# Altium PCB OneBox.PcbDoc (part 7 of 13)
Units mm, origin at the board's own origin, x right, y up, seen from the top; angles counter-clockwise.
Board outline 101 x 69 mm, 6 copper layers (L1_Sig, L2_Gnd, L3_Pow, L4_Sig, L5_Gnd, L6_Sig), stack 1.538 mm thick; 766 components, 563 nets, 3133 pads, 2914 vias.
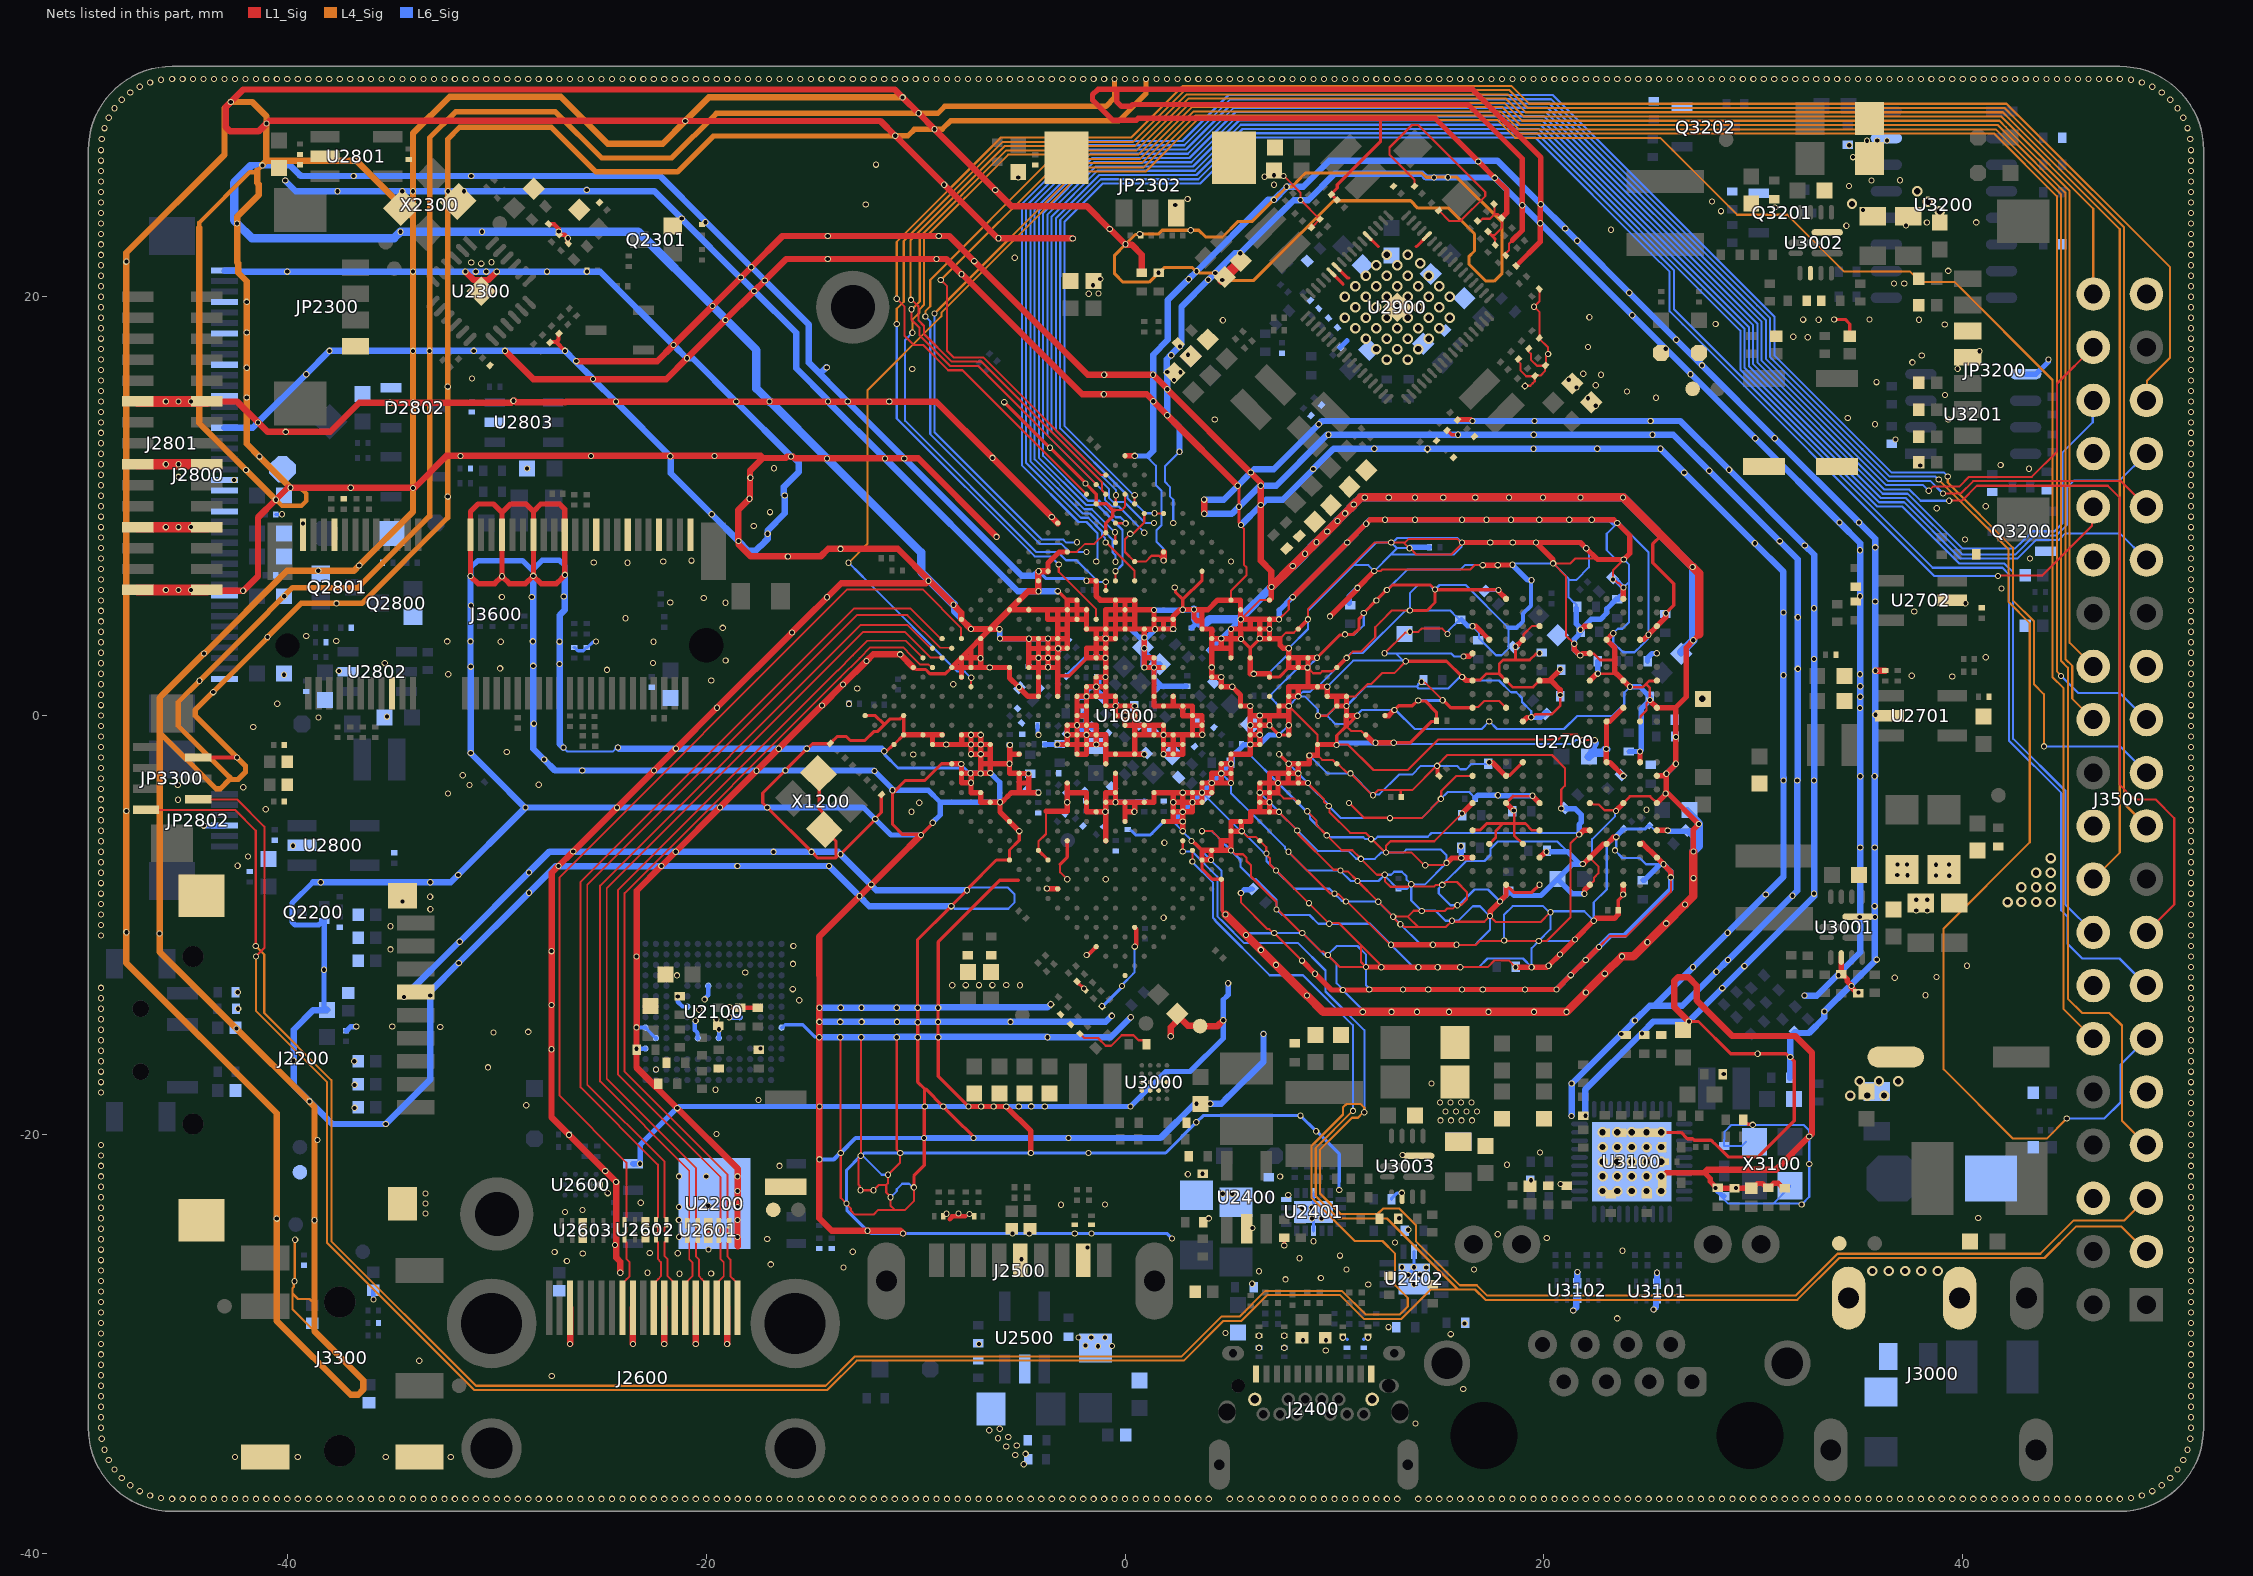
[diagram p11: the nets of this part, all layers, seen from the top]

## Via types
v1: diameter 0.3, hole 0.2, L1_Sig to L6_Sig, tented both sides, 2711 vias
v2: diameter 0.5, hole 0.3, L1_Sig to L6_Sig, tented both sides, 199 vias
v3: diameter 0.305, hole 0.203, L1_Sig to L6_Sig, tented both sides, 4 vias

## Nets (pads, with @x,y where several pads share a name; then routed paths per layer and width w, separated by ;. In a path a pad name is that pad's centre, name@x,y a point inside that pad or via, vN(x,y) a via of type N, cw(c..) or ccw(c..) an arc to the next point about the centre after c; other vN are vias at no path point) (continued)
GND: (continued)
  L6_Sig w0.203: ED3303.2@-35.9,-27.425 -35.895,-27.43 -35.895,-27.873 v1(-35.89,-27.878) ; v1(-23.33,-15.91) -23.325,-15.905 -22.905,-15.905 U2100.P4@-22.9,-15.9 ; v1(-23.326,-14.885) -23.319,-14.893 -22.905,-14.893 U2100.P6@-22.897,-14.9 ; U2100.N5@-22.4,-15.4 U2100.N5@-22.4,-15.397 ; v1(-21.361,-13.416) -21.361,-13.666 -21.132,-13.895 -20.905,-13.895 U2100.K8@-20.9,-13.9 ; v1(-20.504,-14.566) -20.504,-14.592 -20.541,-14.629 -20.541,-15.018 -20.419,-15.14 -20.419,-15.381 U2100.J5@-20.4,-15.4 ; v1(-20.074,-13.549) -20.074,-13.521 -19.9,-13.347 U2100.H10@-19.9,-12.9 ; U2100.G5@-19.4,-15.4 -19.393,-15.392 -19.393,-14.986 v1(-19.385,-14.978) ; v1(-14.594,-21.19) -13.907,-21.19 -13.604,-20.887 v1(-13.576,-20.887) -13.576,-20.882 -12.863,-20.168 v1(-9.6,-20.168) ; C1213.1@-4.175,-0.456 -4.175,-0.854 -4.137,-0.893 v1(-4.137,-0.919) ; C1600.1@1.432,4.118 1.45,4.135 1.657,4.135 1.683,4.162 2.22,4.162 2.239,4.143 2.292,4.143 v1(2.298,4.137) ; 18.3,4.2 18.7,4.2 19,4.5 19,4.674 18.998,4.675 18.998,4.844 19,4.845 19,4.869 19.378,5.246 v1@19.378,6.419
  L6_Sig w0.254: v1(-43.993,-5.254) -43.99,-5.252 -43.005,-5.252 JP2802.3@-43.003,-5.25 ; -38.773,-7.957 -39.773,-8.957 -39.773,-9.851 -39.624,-10 -38.507,-10 -38.359,-9.851 -38.359,-9.82 -38.339,-9.8 Q2200.2@-38.241,-9.8 -38.241,-12.128 v1(-38.249,-12.137) -38.249,-13.901 C2200.2@-38.1,-14.05 ; C2201.2@-37.2,-15.05 -37.179,-15.05 -36.986,-14.857 -36.719,-14.857 v1(-36.71,-14.848) ; v1(-31.25,6.661) -31.24,6.671 -31.24,7.06 -30.9,7.4 -28.77,7.4 -28.267,6.897 ; v1(-28.257,6.672) -28.248,6.682 -28.248,6.998 -27.825,7.421 -27.021,7.421 -26.755,7.155 -26.755,6.73 v1(-26.745,6.721) ; U2200.4@-23.5,-21.395 U2200.4@-23.436,-21.395 ; U2200.4@-23.457,-21.416 U2200.4@-23.436,-21.395 ; U2200.4@-23.435,-21.395 U2200.4@-23.25,-21.395 ; U2200.4@-23.25,-21.395 U2200.4@-23.436,-21.395 ; v1(-23.165,-21.395) U2200.4@-23.25,-21.395 ; v1@-21.376,-18.735 v1(-21.385,-18.743) ; v1(-18.895,-14.401) -18.894,-14.4 U2100.E7@-18.4,-14.4 ; v1(-14.585,-18.668) -21.298,-18.668 -21.373,-18.743 v1(-21.385,-18.743) ; v1@-14.573,-18.668 v1(-9.567,-18.668) v1(-8.683,-18.668) v1(-7.472,-18.668) -7.471,-18.667 v1(-6.873,-18.667) v1(-6.873,-18.667) v1(-6.873,-18.667) -3.833,-18.667 v1(-3.832,-18.668) v1@0.245,-18.668 ; -12.537,-4.387 -12.511,-4.413 -12.455,-4.413 v1(-11.93,-4.937) -11.168,-5.7 v1(-9.743,-5.7) ; -12.345,-2.619 -12.33,-2.635 ; v1@-11.958,-2.655 -11.112,-3.501 v1@-11.112,-3.559 ; v1@-11.135,-3.559 v1@-11.111,-3.559 ; v1(-11.103,-3.567) v1@-11.111,-3.559 ; v1(-9.185,-5.115) -9.185,-5.101 -8.824,-4.741 -8.824,-4.137 ; v1(-8.194,5.296) -8.186,5.287 -8.186,4.968 v1(-7.354,4.137) -6.232,4.137 ; v1(-7.381,-2.751) -7.376,-2.755 -6.9,-2.755 -6.898,-2.758 -6.893,-2.753 -6.446,-2.753 v1(-6.438,-2.746) -6.426,-2.746 -5.985,-3.187 -5.985,-4.127 v1(-5.975,-4.137) -8.824,-4.137 ; -6.212,4.137 -6.01,4.137 v1(-6.001,4.129) -6.001,4.116 -5.984,4.099 -5.984,3.686 v1(-5.975,3.677) ; v1@-5.975,3.689 v1(-5.975,3.677) ; v1@-4.603,3.658 -4.606,3.662 -4.612,3.662 -4.615,3.658 -5.924,3.658 -5.934,3.668 -5.966,3.668 v1(-5.975,3.677) ; v1(-4.59,3.671) -4.587,3.674 -3.68,3.674 v1(-3.677,3.677) ; C1912.1@-3.841,-1.379 v1(-3.232,-1.379) ; C1906.1@-3.25,-1.415 -3.065,-1.415 C1906.1@-3,-1.35 ; C1801.1@-2.266,0.879 -1.891,0.879 -1.851,0.919 v1(-1.838,0.919) -1.83,0.928 -1.83,1.17 -1.63,1.37 -1.388,1.37 v1(-1.379,1.379) ; C1802.1@-1.931,0.12 -1.858,0.047 -1.858,-0.46 ; v1(-1.838,-0.919) v1(-2.298,-0.46) -1.858,-0.46 ; C1006.1@-1.52,-0.548 -1.623,-0.548 -1.712,-0.46 -1.858,-0.46 ; C1013.1@-1.118,0.882 -1.118,0.984 -1.37,1.236 -1.37,1.37 v1(-1.379,1.379) ; v1(-0.939,1.84) -0.952,1.84 -0.969,1.823 -1.248,1.823 -1.25,1.821 -1.25,1.8 -1.252,1.798 -1.252,1.52 -1.379,1.393 v1(-1.379,1.379) ; v1(-0.46,-4.137) v1(-0.46,-4.137) 0.508,-4.138 0.548,-4.098 0.917,-4.098 C1400.1@0.919,-4.096 ; v1@0.269,-18.669 1.948,-16.989 3.107,-16.989 4.687,-15.409 v1(4.687,-14.549) 4.687,-13.566 4.921,-13.331 v1(4.921,-12.777) ; C1700.1@0.395,4.021 0.676,3.74 0.9,3.74 C1014.1@0.91,3.73 ; v1(0.466,12.402) 0.468,12.4 1,12.4 1.1,12.4 ; C1014.1@0.879,3.245 0.86,3.226 C1014.1@0.86,3.103 ; v1(0.921,2.296) 0.921,2.309 0.86,2.371 C1014.1@0.86,3.103 ; v1(0.922,3.73) 0.931,3.739 1.054,3.739 C1600.1@1.432,4.118 v1(1.433,4.121) ; v1@0.945,2.299 1.355,2.299 1.356,2.298 v1(1.379,2.298) 1.389,2.288 1.389,1.767 1.649,1.506 1.649,1.4 ; v1(1.384,5.037) 2.799,5.038 2.808,5.047 3.263,5.047 3.278,5.062 v1(3.291,5.062) ; C1209.1@1.523,1.277 1.526,1.277 1.649,1.4 ; C1009.1@1.66,2.46 1.503,2.46 C1014.1@0.86,3.103 ; 2.298,-5.056 v1(3.677,-3.677) v1(4.137,-3.217) v1(4.596,-2.758) 4.596,-2.746 5.044,-2.298 v1(5.056,-2.298) 5.109,-2.245 5.109,-1.957 5.628,-1.439 5.678,-1.389 5.965,-1.389 v1(5.975,-1.379) 6.421,-1.379 6.873,-0.927 v1(7.346,-0.927) ; C1909.1@2.931,1.4 1.649,1.4 ; C1601.1@3.175,4.185 3.35,4.36 3.35,4.6 ; C1908.1@4.033,3.113 v1(4.596,3.677) v1(5.056,4.137) 5.058,4.137 5.52,4.599 v1(5.522,4.599) ; v1(5.53,-8.468) 5.544,-8.468 5.694,-8.317 5.943,-8.317 5.979,-8.282 C2734.1@6.082,-8.282 ; v1(7.354,4.596) 7.364,4.606 7.364,5.026 7.996,5.658 v1(8.009,5.658) v1(10.614,8.262) v1(11.512,9.16) 11.512,9.173 11.7,9.362 11.91,9.362 ; v1(10.1,-1.4) 10.114,-1.4 10.209,-1.305 11.913,-1.305 11.915,-1.303 11.947,-1.303 v1@11.949,-1.305 ; C2935.2@10.277,17.577 10.6,17.9 ; C2726.1@10.7,5.35 10.7,5.7 v1(11.1,6.1) ; v1(11.346,-14.146) v1(12.726,-14.146) v1(13.936,-14.146) v1(15.463,-14.146) v1(17.349,-14.146) v1(19.529,-14.146) v1(21.073,-14.146) v1(22.002,-13.217) v1(22.9,-12.32) v1(23.725,-11.495) 23.733,-11.486 24.272,-11.486 v1(24.941,-10.818) v1(25.839,-9.92) v1(26.737,-9.022) 27.137,-8.621 v1(27.137,-7.761) v1(27.137,-6.49) ; v1(11.659,-13.079) v1(13.276,-13.079) v1(14.475,-13.079) v1(16.092,-13.079) v1(17.079,-13.079) v1(19.091,-13.079) v1(20.596,-13.079) v1(21.282,-12.393) v1(22,-11.674) v1(22.629,-11.046) 23.175,-10.5 23.309,-10.5 23.31,-10.499 23.843,-10.499 26.06,-8.282 v1(26.06,-7.723) 26.05,-7.713 26.05,-7.435 v1(25.709,-7.094) 25.7,-7.104 25.543,-7.104 24.778,-7.869 C2731.1@24.728,-7.869 ; 11.911,9.362 12.4,9.362 v1(12.41,9.352) v1(13.847,9.352) v1(16.092,9.352) v1(17.259,9.352) v1(18.426,9.352) v1(19.773,9.352) v1(21.21,9.352) v1(22.288,9.352) 23.16,9.352 23.302,9.21 23.49,9.21 v1(23.5,9.2) ; v1(11.961,-1.293) v1(12.825,-1.293) ; v1(13.577,7.992) 13.591,7.992 13.634,8.035 C2728.1@14.535,8.035 ; v1(16.051,-6.795) C2735.1@16.05,-6.3 ; C2732.1@16.063,4.578 16.362,4.278 16.521,4.278 16.582,4.278 v1(16.592,4.268) ; v1(16.092,8.262) v1(17.439,8.262) v1(18.516,8.262) v1(19.619,8.262) 21.735,8.262 22.005,7.992 v1(22.018,7.992) ; C2721.1@16.718,-3.943 16.862,-3.8 v1@17.746,-3.8 ; v1(17.801,-3.8) 17.815,-3.8 17.844,-3.829 v1(19.452,-3.829) ; v1@17.915,-8.863 18.364,-8.414 C2740.1@18.3,-8.35 18.35,-8.35 18.423,-8.423 18.423,-8.444 18.572,-8.593 19.536,-8.593 19.857,-8.593 C2723.1@20.65,-7.8 ; v1(18.5,7.2) 19.223,6.477 19.402,6.477 v1(19.412,6.467) 19.412,6.454 v1@19.378,6.419 ; v1(19.397,-0.079) 19.858,-0.079 20.066,0.129 C2708.1@20.169,0.129 ; v1(20.118,-6.497) 20.12,-6.498 20.548,-6.498 ; 20.55,-6.5 21.131,-6.5 21.704,-7.073 21.849,-7.073 v1(21.859,-7.082) ; C2715.1@20.776,0.973 20.776,0.974 v1(20.782,0.981) ; C2707.1@20.982,-4.418 21.085,-4.418 21.12,-4.454 21.509,-4.454 21.778,-4.723 21.778,-5.107 21.681,-5.205 v1(21.681,-5.681) ; C2729.1@21.546,5.124 21.546,4.375 21.671,4.25 ; 21.704,-7.092 21.358,-7.092 C2723.1@20.65,-7.8 ; v1(21.731,2.866) 21.717,2.866 21.453,3.13 21.453,3.421 v1(21.444,3.431) 21.453,3.44 21.453,3.653 21.677,3.877 21.677,3.927 C2727.1@21.75,4 v1(21.75,4.097) ; C2727.1@21.75,4.19 v1(21.75,4.097) ; v1(21.931,-8.509) 21.359,-8.509 C2723.1@20.65,-7.8 ; v1@22.574,2.005 C2758.1@22.574,2.601 ; v1(23.3,6.5) 23.411,6.5 v1@23.786,6.125 ; v1(23.451,-5.803) 23.461,-5.793 23.461,-5.749 C2736.1@23.744,-5.465 ; v1(23.795,6.115) 23.786,6.106 23.786,5.836 23.623,5.673 23.623,5.623 23.55,5.55 C2737.1@23.5,5.55 23.45,5.55 23,5.1 23,4.9 22.695,4.595 22.248,4.595 21.823,4.17 21.823,4.123 21.797,4.097 v1(21.75,4.097) ; C2714.1@24.059,-1.716 v1(24.585,-1.717) ; v1(24.114,1.376) 24.574,1.376 C2718.1@25.05,0.9 ; v1(24.585,-1.717) 24.585,-1.704 24.651,-1.638 24.651,0.336 v1(25.061,0.746) ; C2730.1@24.95,2.6 24.95,2.75 25.164,2.964 25.382,2.964 v1(25.392,2.974) ; v1(25.847,-2.774) 25.847,-2.763 26.3,-2.31 v1(26.3,-2.3) ; v1(25.916,-5.49) 25.929,-5.49 25.954,-5.515 26.845,-5.515 C2733.1@26.88,-5.551 ; C2753.1@26.56,2.96 C2753.1@26.56,3.028 ; C2757.1@26.85,-4.5 27.388,-5.038 27.388,-5.168 v1(27.398,-5.178) ; C2733.1@26.882,-5.549 27.057,-5.724 27.057,-5.727 27.137,-5.808 v1@27.137,-6.477 ; C2733.1@26.918,-5.482 27.021,-5.482 27.243,-5.704 27.398,-5.704 ; v1@27.108,3.6 27.115,3.593 v1@27.115,3.583 ; v1(28.193,-22.551) 28.202,-22.56 28.202,-22.602 28.55,-22.95 C3100.1@28.6,-22.95 ; U3201.5@43,16.305 43.5,16.305 44.08,16.885 44.08,16.992 v1(44.09,17.002) ; U2200.4@-23.25,-21.395 -23.152,-21.297 -23.152,-20.51 v1(-21.385,-18.743) ; v1@-11.111,-3.559 -9.401,-3.559 -8.824,-4.137
  L6_Sig w0.305: J2800.25@-43.003,13.75 -41.65,13.75 v1(-41.4,14) v1(-39.1,16.3) v1(-37.985,17.415) v1(-34,17.415) v1(-33.206,17.415) ; J2800.40@-43.001,21.248 -42.413,21.248 -42.365,21.2 v1(-40,21.2) v1(-34,21.2) v1(-31.5,21.2) v1(-31,21.2) v1(-30.5,21.2) v1(-30,21.2) v1(-27.6,21.2) v1(-27.6,21.2) v1(-25.697,21.198) ; -41.76,26.237 -41.725,26.273 v1(-41.192,26.273) -39.873,26.273 -39.366,25.766 v1(-36.835,25.766) v1(-31.214,25.766) -22.2,25.766 -20.04,23.606 v1(-20.04,23.557) -19.992,23.557 v1(-17.848,21.412) ; v1(-40.103,25.546) -40.103,25.537 -39.601,25.035 -37.609,25.035 -37.608,25.037 -34.513,25.037 v1(-34.51,25.039) -34.508,25.037 v1(-33.999,25.037) -32.337,25.037 v1(-32.335,25.04) -32.333,25.038 v1(-31.565,25.038) -25.762,25.038 v1(-25.7,25.1) ; -38.773,-7.957 v1(-38.4,-7.957) v1@-33.176,-7.957 ; C2200.2@-38.1,-14.05 -38.11,-14.06 -38.76,-14.06 -39.7,-15 v1(-39.7,-16.484) -39.7,-17.663 v1(-38.944,-18.419) -37.863,-19.5 v1(-35.3,-19.5) -33.177,-17.377 v1(-33.177,-13.371) -33.177,-13.173 v1(-31.812,-11.808) v1(-28.46,-8.457) ; v1(-34.43,-13.435) -31.791,-10.796 v1(-31.771,-10.796) -28.469,-7.493 v1(-28.46,-7.493) ; v1@-33.203,17.415 v1(-31.1,17.415) v1(-29.609,17.415) ; v1@-33.176,-7.957 -32.197,-7.957 v1(-28.628,-4.387) ; v1@-31.251,6.659 v1(-31.251,3.544) -31.251,2.343 v1(-31.246,2.338) -31.246,-1.784 v1(-31.243,-1.787) -31.243,-1.804 C1800.1@-30.223,-2.823 -28.659,-4.387 v1(-28.628,-4.387) ; v1@-29.599,17.415 v1(-26.739,17.415) -26.249,16.925 v1(-26.204,16.925) ; v1@-28.482,-7.493 -27.481,-6.492 v1(-26.35,-6.492) ; v1(-28.46,-8.457) -27.186,-7.183 v1(-27.056,-7.183) ; v1(-28.257,6.672) -28.257,2.378 v1(-28.26,2.375) -28.26,-1.579 v1(-27.739,-2.101) -27.22,-2.619 v1(-25.915,-2.619) v1@-22.499,-2.619 ; v1@-27.056,-7.196 -27.048,-7.188 -22.144,-7.188 v1(-22.139,-7.183) -22.136,-7.18 -18.512,-7.18 -18.508,-7.181 v1(-14.135,-7.181) -14.124,-7.181 v1(-12.678,-8.627) -12.209,-9.097 v1(-8.297,-9.097) ; v1(-26.818,-1.528) -26.99,-1.356 -26.99,-1.31 -27,-1.3 -27,4.8 -26.745,5.055 v1(-26.745,6.721) ; R2603.1@-26.55,-20 R2603.1@-26.55,-20 v1(-26.549,-20.018) ; v1@-26.328,-6.467 -26.294,-6.501 v1(-21.456,-6.501) -21.451,-6.506 v1(-16.787,-6.506) v1(-14.969,-6.506) -13.696,-6.506 v1(-13.586,-6.616) -12.132,-8.071 v1(-12.118,-8.071) -12.118,-8.095 -11.876,-8.336 v1(-7.547,-8.336) ; v1@-26.249,16.925 -25.402,16.078 v1(-25.402,16.069) ; v1@-25.7,25.035 -22.466,25.035 v1(-21.165,23.734) ; v1@-25.697,21.195 -25.693,21.2 -25.064,21.2 v1(-21.562,17.698) -20.925,17.061 v1(-20.918,17.061) -20.645,17.061 -18.577,14.993 v1(-18.569,14.993) ; v1(-25.402,16.069) -24.325,14.992 v1(-24.302,14.992) -24.302,14.978 v1(-21.712,12.388) -21.695,12.371 -21.695,11.575 v1(-19.738,9.618) -19.738,9.617 v1(-18.456,8.334) -18.001,7.879 -17.642,7.879 -17.421,8.1 -17.4,8.1 -17.069,8.431 v1@-17.069,8.676 ; v1(-24.215,-1.525) -24.163,-1.577 v1(-21.447,-1.577) -21.444,-1.579 v1(-16.54,-1.579) -16.538,-1.577 v1(-15.2,-1.577) -11.624,-1.577 v1(-11.496,-1.705) ; v1(-22.496,-2.617) v1@-22.499,-2.619 ; v1@-21.179,23.719 -18.375,20.914 v1(-18.346,20.914) ; v1@-18.568,14.993 -15.95,12.374 v1(-15.947,12.374) ; v1@-18.34,20.904 -17.71,20.274 v1(-17.704,20.274) -15.708,18.278 -15.708,16.584 -14.182,15.059 v1(-14.182,14.993) v1(-11.465,12.276) -5.129,5.94 -4.137,5.94 v1(-4.136,5.942) -4.129,5.942 -4.127,5.944 v1(-3.211,5.944) ; v1@-17.832,21.412 -17.208,20.788 v1(-17.208,20.774) -17.201,20.774 -15.094,18.667 -15.094,16.842 -13.245,14.993 v1(-13.243,14.993) -13.243,14.985 v1@-10.542,12.283 ; v1(-17.066,8.679) v1@-17.069,8.676 ; v1@-15.958,12.363 -15.862,12.363 -15.572,12.074 -15.572,11.644 -16.288,10.929 -16.288,10.552 v1(-16.247,10.511) -16.247,9.655 -17.069,8.833 v1@-17.069,8.676 ; v1(-14.601,-15.356) v1(-13.6,-15.356) v1(-12.6,-15.356) v1(-10.9,-15.356) ; v1(-14.595,-14.623) v1(-13.601,-14.623) v1(-12.577,-14.623) v1(-10.894,-14.623) v1@-9.911,-14.623 ; v1(-14.59,-13.952) v1(-13.577,-13.952) v1(-12.583,-13.952) ; -14.573,16.321 -14.27,16.624 v1(-14.239,16.624) ; v1@-12.583,-13.918 -12.549,-13.952 v1(-10.902,-13.952) -9.902,-13.952 v1(-9.901,-13.951) v1(-8.926,-13.951) ; -12.537,-4.387 v1(-17.087,-4.387) -19.342,-4.387 v1(-19.345,-4.384) -19.348,-4.387 v1(-28.628,-4.387) ; v1(-11.968,-2.645) -11.993,-2.619 -12.345,-2.619 v1(-16.219,-2.619) -17.58,-2.619 v1(-17.593,-2.633) -17.607,-2.619 v1@-22.499,-2.619 ; v1@-10.881,-15.337 v1@-3.719,-15.337 ; v1(-10.542,12.28) v1@-10.542,12.283 ; v1@-9.879,-14.623 v1(-8.931,-14.623) v1(-5.469,-14.623) -0.917,-14.623 v1(-0.63,-14.337) ; v1(-9.6,-20.168) v1(-7.232,-20.168) v1(-2.7,-20.168) 1.693,-20.168 3.332,-18.529 v1(3.416,-18.529) v1(4.07,-18.529) 4.589,-18.529 4.912,-18.206 4.926,-18.206 6.612,-16.521 v1(6.612,-15.199) ; v1@-8.908,-13.933 -8.906,-13.932 -3.7,-13.932 v1(-3.551,-13.782) ; v1(-4.127,6.891) -4.345,6.673 -4.931,6.673 v1@-10.542,12.283 ; v1(-3.7,-15.356) -0.683,-15.356 v1(0.268,-14.406) ; 1.1,12.4 1.345,12.645 v1(1.345,15.011) 1.345,16.272 v1(1.338,16.279) 1.338,17.238 2.045,17.945 2.045,19.845 2.928,20.728 2.934,20.728 v1(3.044,20.838) ; v1@2.19,17.224 2.587,17.622 v1(2.621,17.622) ; v1(2.208,17.206) 2.172,17.206 1.983,17.017 1.983,16.436 v1(2.012,16.406) v1(2.012,15.581) v1(2.011,14.345) 2.6,13.758 v1(2.6,12.6) ; v1@2.592,17.627 2.693,17.727 2.693,19.524 v1(3.976,20.807) ; v1@3.08,20.88 3.417,21.217 6.824,24.625 v1(7.105,24.625) ; v1(3.776,10.312) 4.712,10.312 v1(5.378,10.979) ; v1(3.779,9.635) 5.103,9.635 v1(5.443,9.975) v1@6.442,10.974 ; v1@3.987,20.818 v1(4.305,21.136) 5.244,22.075 v1(5.504,22.075) 7.417,23.987 7.422,23.987 8.05,24.615 v1(8.377,24.615) 8.744,24.615 10.002,25.873 14.194,25.873 14.372,25.695 v1(14.754,25.695) 17.633,25.695 v1(17.651,25.677) 18.963,24.366 v1(18.966,24.366) v1(19.822,23.509) ; v1@5.379,10.979 5.846,11.446 5.846,11.452 v1(5.997,11.603) 6.162,11.768 7.104,11.768 v1(9.249,13.913) 9.405,14.07 v1(16.587,14.07) ; v1(5.534,9.103) v1(6.482,10.051) 6.744,10.313 7.53,10.313 v1(8.988,11.771) ; v1(6.482,10.974) 7.212,10.974 9.428,13.191 9.644,13.406 v1(9.717,13.406) ; v1@7.108,24.622 v1@7.72,25.234 ; v1(7.715,25.253) 8.516,25.253 9.748,26.485 16.843,26.485 v1(16.868,26.46) ; v1@8.995,11.782 9.956,12.743 v1(11.9,12.743) ; v1(9.717,13.406) v1(15.899,13.406) v1(19.515,13.406) v1(25.18,13.406) 26.181,13.406 v1@27.893,11.694 ; v1@11.926,12.743 v1(14.44,12.743) ; v1@14.456,12.718 14.482,12.743 v1(19.5,12.743) v1(22.547,12.743) ; v1@16.634,14.07 v1(19.553,14.07) v1(25.096,14.07) 26.517,14.07 v1(28.843,11.743) 28.843,11.733 v1(32.451,8.125) 32.9,7.676 v1(32.9,5.123) v1(32.9,2.7) 32.9,-8.632 v1(29.57,-11.962) 28.519,-13.013 v1(28.513,-13.013) v1(26.92,-14.606) 25.227,-14.606 v1@24.666,-15.167 ; v1@16.868,26.485 17.784,26.485 v1(19.851,24.418) v1(21.014,23.255) ; v1(19.822,23.509) v1(24.214,19.114) v1(25.814,17.514) v1(30.087,13.242) v1(34.111,9.219) ; v1@21.026,23.241 21.591,22.676 v1(21.593,22.676) ; v1(21.315,-19.114) 21.323,-19.106 v1@21.323,-17.573 ; v1(21.323,-17.563) v1@21.323,-17.573 ; v1(21.4,-28.4) 21.552,-28.248 21.552,-27.848 U3102.8@21.6,-27.8 ; U3102.3@21.6,-27.1 v1(21.6,-26.57) ; v1@21.6,22.667 v1(24.079,20.188) 26.317,17.95 v1(26.32,17.95) v1(27.546,16.724) ; v1(21.978,-19.11) 21.978,-17.855 24.648,-15.185 v1(24.684,-15.185) ; v1@22.56,12.743 v1(25.564,12.743) 26.699,11.608 v1(26.699,11.602) v1(30.073,8.228) 31.436,6.865 v1(31.436,4.925) ; v1@24.311,-14.529 24.234,-14.606 24.234,-14.664 v1(23.691,-15.207) 23.689,-15.207 v1@21.323,-17.573 ; v1(24.343,-14.561) 25.05,-13.854 25.28,-13.854 ; v1(25.239,-28.353) 25.352,-28.239 25.352,-27.878 U3101.8@25.4,-27.83 ; U3101.3@25.4,-27.13 v1(25.4,-26.6) ; v1(27.546,16.724) v1@31.025,13.245 ; v1@27.895,11.693 v1(31.257,8.331) 32.126,7.461 v1(32.126,4.7) v1(32.127,2.233) 32.126,-3.074 v1(32.1,-3.1) 32.1,-8.37 v1(31.864,-8.606) 31.86,-8.606 28.795,-11.671 v1(28.792,-11.671) 28.234,-12.23 27.132,-13.331 26.608,-13.854 25.28,-13.854 ; v1(31.025,13.242) v1@31.025,13.245 ; v1@31.435,4.923 v1(31.435,1.93) 31.435,-2.935 31.462,-2.962 v1@31.462,-3.1 ; v1(31.437,-3.1) 31.437,-7.699 v1(30.596,-8.539) 30.596,-8.545 27.123,-12.017 v1(27.117,-12.017) 25.28,-13.854 ; C3106.1@31.75,-17.3 31.759,-17.291 v1(31.759,-16.303) 31.759,-15.341 C3103.1@31.982,-15.118 32.049,-15.118 32.084,-15.154 32.659,-15.154 33.39,-14.422 v1(33.39,-14.13) 34.613,-12.907 v1(34.69,-12.907) ; v1(32.444,-13.368) 33.026,-13.368 35.096,-11.298 35.096,-9.639 v1(35.078,-9.621) 35.1,-9.599 v1(35.1,-2.9) 35.096,-2.896 v1@35.096,0.362 ; v1(34.111,9.219) 35.096,8.234 v1(35.096,7.9) ; v1@34.705,-12.907 34.705,-12.815 35.791,-11.729 v1@35.791,-9.105 ; v1@35.023,9.246 35.224,9.046 35.224,9.038 35.821,8.441 v1(35.821,8.033) v1(35.821,5.451) v1@35.821,2.149 ; v1(35.049,9.219) 34.901,9.367 34.901,9.369 v1@31.025,13.245 ; v1(35.096,0.367) 35.096,0.9 35.1,0.904 v1(35.1,1.4) 35.096,1.404 v1@35.096,1.96 ; v1(35.096,1.975) v1@35.096,5.696 ; v1(35.096,5.7) v1@35.096,7.896 ; v1@35.791,-9.088 v1(35.791,-2.9) 35.827,-2.864 v1(35.827,0.041) ; v1@35.826,0.042 v1(35.826,2.143)
  L6_Sig w0.406: -41.76,26.237 -42.544,25.453 -42.544,23.644 v1(-42.4,23.5) -41.7,22.8 -34.9,22.8 v1(-34.6,23.1) v1(-30.7,23.1) -23.243,23.1 v1(-19.702,19.558) -19.083,18.94 v1(-19.083,18.893) -19.037,18.893 -17.6,17.457 -17.6,15.615 v1(-16.978,14.993) -16.942,14.993 v1(-14.228,12.28) -9.738,7.79 -9.738,6.858 -9.354,6.474 v1@-8.185,5.305 ; v1(3.291,5.062) 3.35,5.003 3.35,4.6 3.573,4.377 C1812.1@3.823,4.377 4.045,4.599 v1@5.52,4.599 ; v1(5.522,4.599) 5.522,4.675 v1(6.988,6.14) 7.988,7.141 v1(8.004,7.141) ; v1@8.012,7.133 8.584,7.705 8.584,7.737 9.126,8.279 v1(9.142,8.279) ; v1@9.147,8.273 9.645,8.772 9.645,8.798 10.143,9.296 v1(10.146,9.296) 10.148,9.296 v1(10.508,9.656) 10.923,10.071 v1(10.923,10.076) ; v1(10.923,10.076) 11.264,10.419 v1(12.589,10.419) v1(13.847,10.419) v1(15.194,10.419) v1(16.72,10.419) v1(18.337,10.419) v1(19.953,10.419) v1(21.749,10.419) v1(23.779,10.419) 23.784,10.419 27.1,7.103 v1(27.1,7.1) 27.131,7.069 v1(27.131,3.6) ; C2701.1@22.149,-1.96 C2701.1@22.261,-1.848 ; v1@22.431,-1.318 22.327,-1.422 22.327,-1.782 22.479,-1.782 22.795,-1.782 v1(22.977,-1.599) ; C2753.1@26.56,3.028 v1@27.115,3.583 ; v1(27.137,-6.49) 27.398,-6.23 27.398,-5.704 v1(27.398,-5.178) v1@27.4,-5.176